# Altium PCB RockerBox_1_SiC780A_Rev02.PcbDoc (part 3 of 4)
Units mm, origin at the board's own origin, x right, y up, seen from the top; angles counter-clockwise.
Board outline 100 x 100 mm, 4 copper layers (L1, L2, L3, L4), stack 1.577 mm thick; 392 components, 96 nets, 1494 pads, 1617 vias.
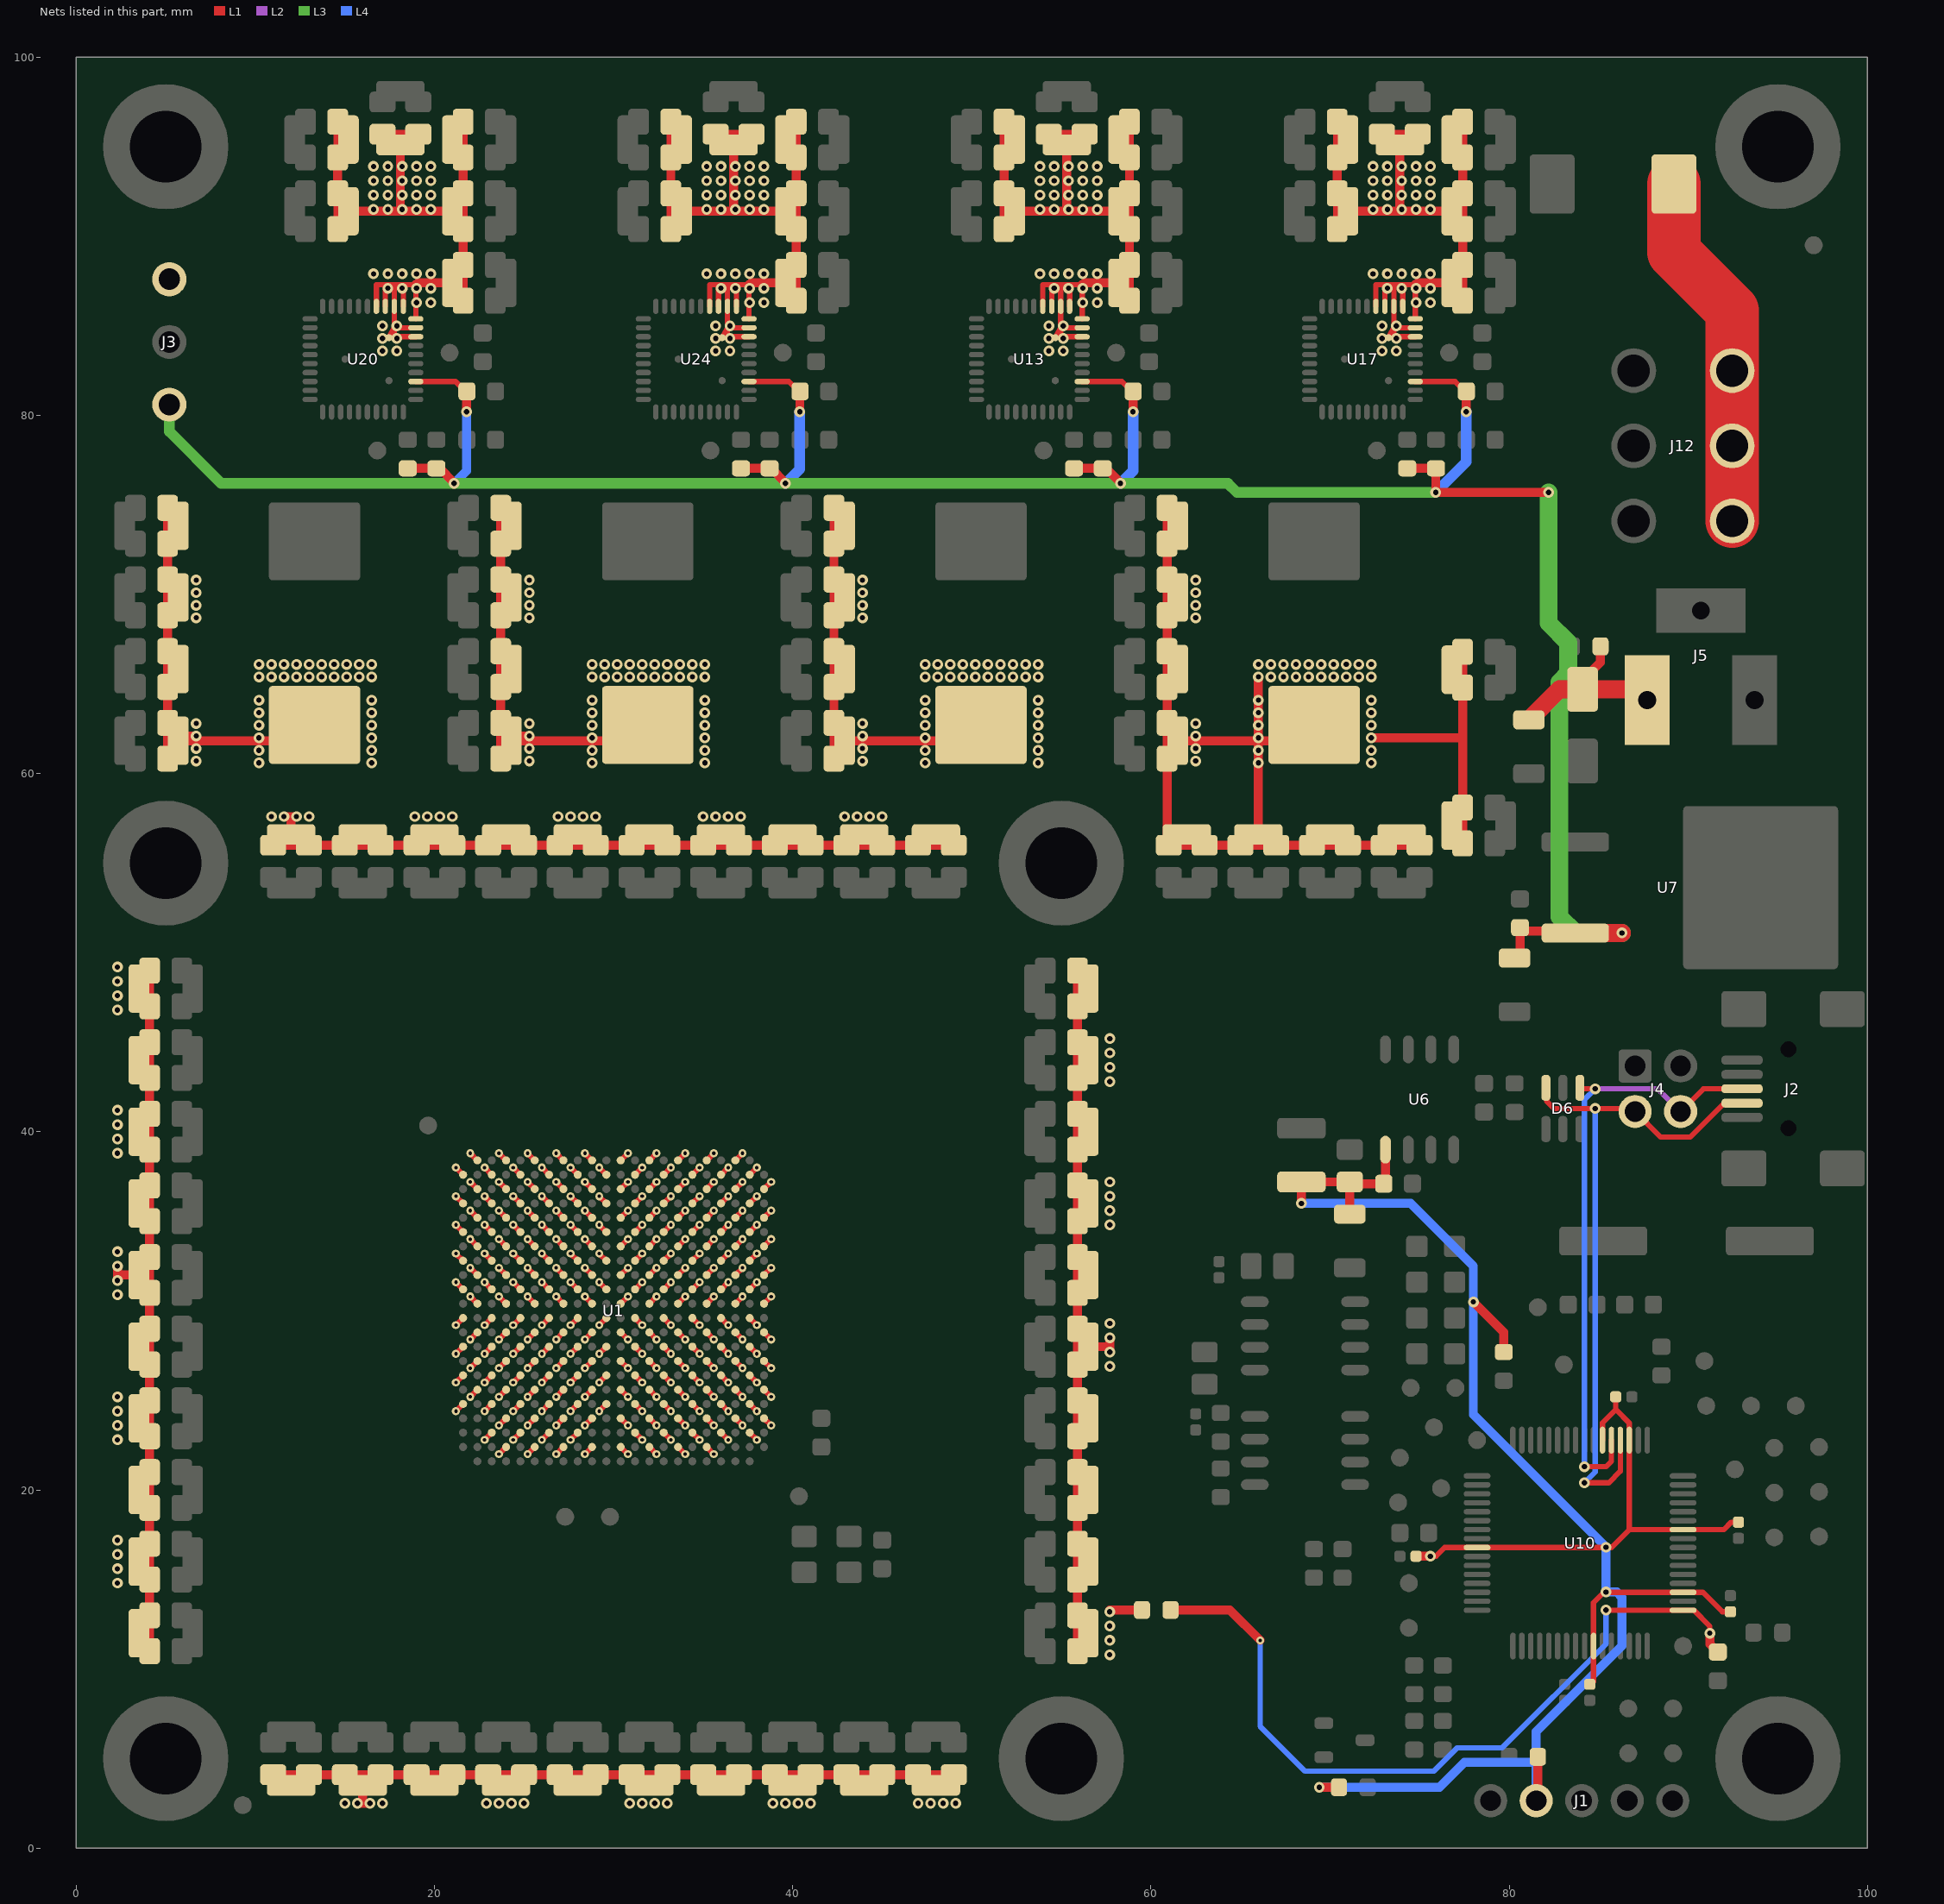
[diagram p5: the nets of this part, all layers, seen from the top]

## Via types
v1: diameter 0.6/0.6/0.6/0.6 (per signal layer), hole 0.3, L1 to L4, 1154 vias
v2: diameter 0.45/0.45/0.45/0.45 (per signal layer), hole 0.2, L1 to L4, 463 vias

## Nets (pads, with @x,y where several pads share a name; then routed paths per layer and width w, separated by ;. In a path a pad name is that pad's centre, name@x,y a point inside that pad or via, vN(x,y) a via of type N, cw(c..) or ccw(c..) an arc to the next point about the centre after c; other vN are vias at no path point) (continued)
1V: C1.2 C18.2 C19.2 C36.2 C37.1 C38.1 C39.1 C40.1 C62.2 C63.2 C65.1 C66.1 C67.1 C74.2 C75.2 C76.2 C77.2 C78.2 C79.2 C80.2 C81.2 C90.1 C128.1 C130.1 C131.1 C132.2 C138.1 C139.1 C140.2 C141.1 C142.1 C143.2 C144.1 C145.1 C146.2 C147.1 C148.2 C149.2 C150.2 C151.2 C152.2 C153.2 C154.2 C155.2 C156.2 C157.2 C158.2 C159.2 C160.2 C161.2 C162.2 C163.2 C164.2 C165.2 C166.1 C167.2 C168.2 C169.1 C170.1 C172.1 C173.1 C174.2 C175.1 C176.1 C177.2 C178.2 C179.2 C180.2 C181.2 C182.2 C183.2 C184.2 C185.2 C186.2 C187.1 C188.1 C189.2 C190.1 C191.1 C192.2 C193.1 C194.1 C195.2 C196.1 C197.1 C199.1 C200.1 C202.1 C203.1 C205.1 C206.2 C207.2 C208.2 C209.2 C210.2 C211.2 C212.2 C213.2 C214.2 C215.2 C216.2 C217.2 C218.2 C219.2 C220.2 C221.2 C222.2 C223.2 C224.2 C225.2 C226.2 C228.2 C229.2 C230.2 C234.2 C235.2 C236.2 C237.2 C238.2 C239.2 C240.2 C241.2 C242.2 C243.2 C244.2 C245.2 C246.2 C247.2 C248.2 C249.2 C250.2 C251.2 C252.2 C253.2 C254.2 C255.2 C256.2 C260.2 C261.2 C262.2 C263.1 C264.1 C265.1 C266.1 C267.2 C268.1 C269.1 C270.2 C271.1 C272.1 C273.2 C274.1 C275.1 C276.2 C331.1 C332.1 C333.1 C334.1 C375.2 C376.2 C377.2 C381.2 C382.2 C397.2 C398.2 C399.2 C400.2 C401.2 C652.1 C653.2 C654.1 C655.1 C656.2 C657.1 C658.1 C659.2 C660.1 C661.1 C662.2 C663.1 C664.1 C665.2 C666.1 C667.1 C668.2 C669.1 L3.2 L7.2 L10.2 L14.2 R6.2 U1.A3 U1.A5 U1.A7 U1.A9 U1.A11 U1.A13 U1.A15 U1.A17 U1.A19 U1.AA1 U1.AA3 U1.AA5 U1.AA7 U1.AA9 U1.AA11 U1.AA13 U1.AA15 U1.AA17 U1.AB2 U1.AB4 U1.AB6 U1.AB8 U1.AB10 U1.AB12 U1.AB14 U1.AB16 U1.AB18 U1.B2 U1.B4 U1.B6 U1.B8 U1.B10 U1.B12 U1.B14 U1.B16 U1.B18 U1.B20 U1.C1 U1.C3 U1.C5 U1.C7 U1.C9 U1.C11 U1.C13 U1.C15 U1.C17 U1.C19 U1.D2 U1.D4 U1.D6 U1.D8 U1.D10 U1.D12 U1.D14 U1.D16 U1.D18 U1.D20 U1.E1 U1.E3 U1.E5 U1.E7 U1.E9 U1.E11 U1.E13 U1.E15 U1.E17 U1.E19 U1.E21 U1.F2 U1.F4 U1.F6 U1.F8 U1.F10 U1.F12 U1.F14 U1.F16 U1.F18 U1.F20 U1.G1 U1.G3 U1.G5 U1.G7 U1.G9 U1.G11 U1.G13 U1.G15 U1.G17 U1.G19 U1.G21 U1.H2 U1.H4 U1.H6 U1.H8 U1.H10 U1.H12 U1.H14 U1.H16 U1.H18 U1.H20 U1.J1 U1.J3 U1.J5 U1.J7 U1.J9 U1.J11 U1.J13 U1.J15 U1.J17 U1.J19 U1.J21 U1.K2 U1.K4 U1.K6 U1.K8 U1.K10 U1.K12 U1.K14 U1.K16 U1.K18 U1.K20 U1.L1 U1.L3 U1.L5 U1.L7 U1.L9 U1.L11 U1.L13 U1.L15 U1.L17 U1.L19 U1.L21 U1.M2 U1.M4 U1.M6 U1.M8 U1.M10 U1.M12 U1.M14 U1.M16 U1.M18 U1.N1 U1.N3 U1.N5 U1.N7 U1.N9 U1.N11 U1.N13 U1.N15 U1.N17 U1.N19 U1.N21 U1.P2 U1.P4 U1.P6 U1.P8 U1.P10 U1.P12 U1.P14 U1.P16 U1.P18 U1.P20 U1.R1 U1.R3 U1.R5 U1.R7 U1.R9 U1.R11 U1.R13 U1.R15 U1.R17 U1.R19 U1.R21 U1.T2 U1.T4 U1.T6 U1.T8 U1.T10 U1.T12 U1.T14 U1.T16 U1.T18 U1.T20 U1.U1 U1.U3 U1.U5 U1.U7 U1.U9 U1.U11 U1.U13 U1.U15 U1.U17 U1.U19 U1.U21 U1.V2 U1.V4 U1.V6 U1.V8 U1.V10 U1.V12 U1.V14 U1.V16 U1.V18 U1.V20 U1.W1 U1.W3 U1.W5 U1.W7 U1.W9 U1.W11 U1.W13 U1.W15 U1.W17 U1.W19 U1.W21 U1.Y2 U1.Y4 U1.Y6 U1.Y8 U1.Y10 U1.Y12 U1.Y14 U1.Y16 U1.Y18 U1.Y20 | length 461.2
  L1 w0.3: v2(21.2,24.4) U1.AB18@21.6,24.8 ; v2(21.2,26) U1.AB16@21.6,26.4 ; v2(21.2,27.6) U1.AB14@21.6,28 ; v2(21.2,29.2) U1.AB12@21.6,29.6 ; v2(21.2,31.6) U1.AB10@21.6,31.2 ; v2(21.2,33.2) U1.AB8@21.6,32.8 ; v2(21.2,34.8) U1.AB6@21.6,34.4 ; v2(21.2,36.4) U1.AB4@21.6,36 ; v2(21.2,38) U1.AB2@21.6,37.6 ; v2(22,25.2) U1.AA17@22.4,25.6 ; v2(22,26.8) U1.AA15@22.4,27.2 ; v2(22,28.4) U1.AA13@22.4,28.8 ; v2(22,30.8) U1.AA11@22.4,30.4 ; v2(22,32.4) U1.AA9@22.4,32 ; v2(22,34) U1.AA7@22.4,33.6 ; v2(22,35.6) U1.AA5@22.4,35.2 ; v2(22,37.2) U1.AA3@22.4,36.8 ; v2(22,38.8) U1.AA1@22.4,38.4 ; v2(22.8,22.8) U1.Y20@23.2,23.2 ; v2(22.8,24.4) U1.Y18@23.2,24.8 ; v2(22.8,26) U1.Y16@23.2,26.4 ; v2(22.8,27.6) U1.Y14@23.2,28 ; v2(22.8,29.2) U1.Y12@23.2,29.6 ; v2(22.8,31.6) U1.Y10@23.2,31.2 ; v2(22.8,33.2) U1.Y8@23.2,32.8 ; v2(22.8,34.8) U1.Y6@23.2,34.4 ; v2(22.8,36.4) U1.Y4@23.2,36 ; v2(22.8,38) U1.Y2@23.2,37.6 ; v2(23.6,22) U1.W21@24,22.4 ; v2(23.6,23.6) U1.W19@24,24 ; v2(23.6,25.2) U1.W17@24,25.6 ; v2(23.6,26.8) U1.W15@24,27.2 ; v2(23.6,28.4) U1.W13@24,28.8 ; v2(23.6,30.8) U1.W11@24,30.4 ; v2(23.6,32.4) U1.W9@24,32 ; v2(23.6,34) U1.W7@24,33.6 ; v2(23.6,35.6) U1.W5@24,35.2 ; v2(23.6,37.2) U1.W3@24,36.8 ; v2(23.6,38.8) U1.W1@24,38.4 ; v2(24.4,22.8) U1.V20@24.8,23.2 ; v2(24.4,24.4) U1.V18@24.8,24.8 ; v2(24.4,26) U1.V16@24.8,26.4 ; v2(24.4,27.6) U1.V14@24.8,28 ; v2(24.4,29.2) U1.V12@24.8,29.6 ; v2(24.4,31.6) U1.V10@24.8,31.2 ; v2(24.4,33.2) U1.V8@24.8,32.8 ; v2(24.4,34.8) U1.V6@24.8,34.4 ; v2(24.4,36.4) U1.V4@24.8,36 ; v2(24.4,38) U1.V2@24.8,37.6 ; v2(25.2,22) U1.U21@25.6,22.4 ; v2(25.2,23.6) U1.U19@25.6,24 ; v2(25.2,25.2) U1.U17@25.6,25.6 ; v2(25.2,26.8) U1.U15@25.6,27.2 ; v2(25.2,28.4) U1.U13@25.6,28.8 ; v2(25.2,30.8) U1.U11@25.6,30.4 ; v2(25.2,32.4) U1.U9@25.6,32 ; v2(25.2,34) U1.U7@25.6,33.6 ; v2(25.2,35.6) U1.U5@25.6,35.2 ; v2(25.2,37.2) U1.U3@25.6,36.8 ; v2(25.2,38.8) U1.U1@25.6,38.4 ; v2(26,22.8) U1.T20@26.4,23.2 ; v2(26,24.4) U1.T18@26.4,24.8 ; v2(26,26) U1.T16@26.4,26.4 ; v2(26,27.6) U1.T14@26.4,28 ; v2(26,29.2) U1.T12@26.4,29.6 ; v2(26,31.6) U1.T10@26.4,31.2 ; v2(26,33.2) U1.T8@26.4,32.8 ; v2(26,34.8) U1.T6@26.4,34.4 ; v2(26,36.4) U1.T4@26.4,36 ; v2(26,38) U1.T2@26.4,37.6 ; v2(26.8,22) U1.R21@27.2,22.4 ; v2(26.8,23.6) U1.R19@27.2,24 ; v2(26.8,25.2) U1.R17@27.2,25.6 ; v2(26.8,26.8) U1.R15@27.2,27.2 ; v2(26.8,28.4) U1.R13@27.2,28.8 ; v2(26.8,30.8) U1.R11@27.2,30.4 ; v2(26.8,32.4) U1.R9@27.2,32 ; v2(26.8,34) U1.R7@27.2,33.6 ; v2(26.8,35.6) U1.R5@27.2,35.2 ; v2(26.8,37.2) U1.R3@27.2,36.8 ; v2(26.8,38.8) U1.R1@27.2,38.4 ; v2(27.6,22.8) U1.P20@28,23.2 ; v2(27.6,24.4) U1.P18@28,24.8 ; v2(27.6,26) U1.P16@28,26.4 ; v2(27.6,27.6) U1.P14@28,28 ; v2(27.6,29.2) U1.P12@28,29.6 ; v2(27.6,31.6) U1.P10@28,31.2 ; v2(27.6,33.2) U1.P8@28,32.8 ; v2(27.6,34.8) U1.P6@28,34.4 ; v2(27.6,36.4) U1.P4@28,36 ; v2(27.6,38) U1.P2@28,37.6 ; v2(28.4,22) U1.N21@28.8,22.4 ; v2(28.4,23.6) U1.N19@28.8,24 ; v2(28.4,25.2) U1.N17@28.8,25.6 ; v2(28.4,26.8) U1.N15@28.8,27.2 ; v2(28.4,28.4) U1.N13@28.8,28.8 ; v2(28.4,30.8) U1.N11@28.8,30.4 ; v2(28.4,32.4) U1.N9@28.8,32 ; v2(28.4,34) U1.N7@28.8,33.6 ; v2(28.4,35.6) U1.N5@28.8,35.2 ; v2(28.4,37.2) U1.N3@28.8,36.8 ; v2(28.4,38.8) U1.N1@28.8,38.4 ; v2(29.2,24.4) U1.M18@29.6,24.8 ; v2(29.2,26) U1.M16@29.6,26.4 ; v2(29.2,27.6) U1.M14@29.6,28 ; v2(29.2,29.2) U1.M12@29.6,29.6 ; v2(29.2,31.6) U1.M10@29.6,31.2 ; v2(29.2,33.2) U1.M8@29.6,32.8 ; v2(29.2,34.8) U1.M6@29.6,34.4 ; v2(29.2,36.4) U1.M4@29.6,36 ; v2(29.2,38) U1.M2@29.6,37.6 ; U1.L21@30.4,22.4 v2(30.8,22) ; U1.L19@30.4,24 v2(30.8,23.6) ; U1.L17@30.4,25.6 v2(30.8,25.2) ; U1.L15@30.4,27.2 v2(30.8,26.8) ; U1.L13@30.4,28.8 v2(30.8,28.4) ; U1.L11@30.4,30.4 v2(30.8,30.8) ; U1.L9@30.4,32 v2(30.8,32.4) ; U1.L7@30.4,33.6 v2(30.8,34) ; U1.L5@30.4,35.2 v2(30.8,35.6) ; U1.L3@30.4,36.8 v2(30.8,37.2) ; U1.L1@30.4,38.4 v2(30.8,38.8) ; U1.K20@31.2,23.2 v2(31.6,22.8) ; U1.K18@31.2,24.8 v2(31.6,24.4) ; U1.K16@31.2,26.4 v2(31.6,26) ; U1.K14@31.2,28 v2(31.6,27.6) ; U1.K12@31.2,29.6 v2(31.6,29.2) ; U1.K10@31.2,31.2 v2(31.6,31.6) ; U1.K8@31.2,32.8 v2(31.6,33.2) ; U1.K6@31.2,34.4 v2(31.6,34.8) ; U1.K4@31.2,36 v2(31.6,36.4) ; U1.K2@31.2,37.6 v2(31.6,38) ; U1.J21@32,22.4 v2(32.4,22) ; U1.J19@32,24 v2(32.4,23.6) ; U1.J17@32,25.6 v2(32.4,25.2) ; U1.J15@32,27.2 v2(32.4,26.8) ; U1.J13@32,28.8 v2(32.4,28.4) ; U1.J11@32,30.4 v2(32.4,30.8) ; U1.J9@32,32 v2(32.4,32.4) ; U1.J7@32,33.6 v2(32.4,34) ; U1.J5@32,35.2 v2(32.4,35.6) ; U1.J3@32,36.8 v2(32.4,37.2) ; U1.J1@32,38.4 v2(32.4,38.8) ; U1.H20@32.8,23.2 v2(33.2,22.8) ; U1.H18@32.8,24.8 v2(33.2,24.4) ; U1.H16@32.8,26.4 v2(33.2,26) ; U1.H14@32.8,28 v2(33.2,27.6) ; U1.H12@32.8,29.6 v2(33.2,29.2) ; U1.H10@32.8,31.2 v2(33.2,31.6) ; U1.H8@32.8,32.8 v2(33.2,33.2) ; U1.H6@32.8,34.4 v2(33.2,34.8) ; U1.H4@32.8,36 v2(33.2,36.4) ; U1.H2@32.8,37.6 v2(33.2,38) ; U1.G21@33.6,22.4 v2(34,22) ; U1.G19@33.6,24 v2(34,23.6) ; U1.G17@33.6,25.6 v2(34,25.2) ; U1.G15@33.6,27.2 v2(34,26.8) ; U1.G13@33.6,28.8 v2(34,28.4) ; U1.G11@33.6,30.4 v2(34,30.8) ; U1.G9@33.6,32 v2(34,32.4) ; U1.G7@33.6,33.6 v2(34,34) ; U1.G5@33.6,35.2 v2(34,35.6) ; U1.G3@33.6,36.8 v2(34,37.2) ; U1.G1@33.6,38.4 v2(34,38.8) ; U1.F20@34.4,23.2 v2(34.8,22.8) ; U1.F18@34.4,24.8 v2(34.8,24.4) ; U1.F16@34.4,26.4 v2(34.8,26) ; U1.F14@34.4,28 v2(34.8,27.6) ; U1.F12@34.4,29.6 v2(34.8,29.2) ; U1.F10@34.4,31.2 v2(34.8,31.6) ; U1.F8@34.4,32.8 v2(34.8,33.2) ; U1.F6@34.4,34.4 v2(34.8,34.8) ; U1.F4@34.4,36 v2(34.8,36.4) ; U1.F2@34.4,37.6 v2(34.8,38) ; U1.E21@35.2,22.4 v2(35.6,22) ; U1.E19@35.2,24 v2(35.6,23.6) ; U1.E17@35.2,25.6 v2(35.6,25.2) ; U1.E15@35.2,27.2 v2(35.6,26.8) ; U1.E13@35.2,28.8 v2(35.6,28.4) ; U1.E11@35.2,30.4 v2(35.6,30.8) ; U1.E9@35.2,32 v2(35.6,32.4) ; U1.E7@35.2,33.6 v2(35.6,34) ; U1.E5@35.2,35.2 v2(35.6,35.6) ; U1.E3@35.2,36.8 v2(35.6,37.2) ; U1.E1@35.2,38.4 v2(35.6,38.8) ; U1.D20@36,23.2 v2(36.4,22.8) ; U1.D18@36,24.8 v2(36.4,24.4) ; U1.D16@36,26.4 v2(36.4,26) ; U1.D14@36,28 v2(36.4,27.6) ; U1.D12@36,29.6 v2(36.4,29.2) ; U1.D10@36,31.2 v2(36.4,31.6) ; U1.D8@36,32.8 v2(36.4,33.2) ; U1.D6@36,34.4 v2(36.4,34.8) ; U1.D4@36,36 v2(36.4,36.4) ; U1.D2@36,37.6 v2(36.4,38) ; U1.C19@36.8,24 v2(37.2,23.6) ; U1.C17@36.8,25.6 v2(37.2,25.2) ; U1.C15@36.8,27.2 v2(37.2,26.8) ; U1.C13@36.8,28.8 v2(37.2,28.4) ; U1.C11@36.8,30.4 v2(37.2,30.8) ; U1.C9@36.8,32 v2(37.2,32.4) ; U1.C7@36.8,33.6 v2(37.2,34) ; U1.C5@36.8,35.2 v2(37.2,35.6) ; U1.C3@36.8,36.8 v2(37.2,37.2) ; U1.C1@36.8,38.4 v2(37.2,38.8) ; U1.B20@37.6,23.2 v2(38,22.8) ; U1.B18@37.6,24.8 v2(38,24.4) ; U1.B16@37.6,26.4 v2(38,26) ; U1.B14@37.6,28 v2(38,27.6) ; U1.B12@37.6,29.6 v2(38,29.2) ; U1.B10@37.6,31.2 v2(38,31.6) ; U1.B8@37.6,32.8 v2(38,33.2) ; U1.B6@37.6,34.4 v2(38,34.8) ; U1.B4@37.6,36 v2(38,36.4) ; U1.B2@37.6,37.6 v2(38,38) ; U1.A19@38.4,24 v2(38.8,23.6) ; U1.A17@38.4,25.6 v2(38.8,25.2) ; U1.A15@38.4,27.2 v2(38.8,26.8) ; U1.A13@38.4,28.8 v2(38.8,28.4) ; U1.A11@38.4,30.4 v2(38.8,30.8) ; U1.A9@38.4,32 v2(38.8,32.4) ; U1.A7@38.4,33.6 v2(38.8,34) ; U1.A5@38.4,35.2 v2(38.8,35.6) ; U1.A3@38.4,36.8 v2(38.8,37.2)
  L1 w0.5: v1(2.305,31.7) v1@2.305,32 ; v1(2.305,32.5) v1@2.305,32 ; C254.2@3.5,12 4.1,12 ; C213.2@3.5,16 4.1,16 ; C214.2@3.5,20 4.1,20 ; C215.2@3.5,24 4.1,24 ; C210.2@3.5,28 4.1,28 ; C212.2@3.5,36 4.1,36 ; C207.2@3.5,40 4.1,40 ; C208.2@3.5,44 4.1,44 ; C209.2@3.5,48 4.1,48 ; C229.2@4.1,11 4.1,12 ; C63.2@4.1,49 4.1,48 ; C657.1@5.103,60.835 5.103,61.835 ; C669.1@5.103,74.835 5.103,73.835 ; C662.2@5.703,65.835 5.103,65.835 ; C665.2@5.703,69.835 5.103,69.835 ; C668.2@5.703,73.835 5.103,73.835 ; v1(6.7,62.1) 5.968,62.1 C656.2@5.703,61.835 ; C157.2@11,4.1 12,4.1 ; C654.1@11,56 12,56 ; v1(11.6,57.6) v1@12,57.6 ; C238.2@12,3.5 12,4.1 ; v1(12.3,57.6) v1@12,57.6 ; L10.2@13.311,62.715 13.311,61.835 C656.2@5.703,61.835 ; v1(15.7,2.5) v1@16,2.5 ; C398.2@16,56.6 16,56 ; v1(16.4,2.5) v1@16,2.5 ; C216.2@20,3.5 20,4.1 ; C659.2@20,56.6 20,56 ; C176.1@23.703,60.835 23.703,61.835 ; C268.1@23.703,74.835 23.703,73.835 ; C241.2@24,3.5 24,4.1 ; C397.2@24,56.6 24,56 ; C399.2@24.303,65.835 23.703,65.835 ; C400.2@24.303,69.835 23.703,69.835 ; C401.2@24.303,73.835 23.703,73.835 ; v1(25.3,62.1) 24.568,62.1 C195.2@24.303,61.835 ; C240.2@28,3.5 28,4.1 ; C192.2@28,56.6 28,56 ; L14.2@31.911,62.715 31.911,61.835 C195.2@24.303,61.835 ; C239.2@32,3.5 32,4.1 ; C189.2@32,56.6 32,56 ; C244.2@36,3.5 36,4.1 ; C267.2@36,56.6 36,56 ; C243.2@40,3.5 40,4.1 ; C174.2@40,56.6 40,56 ; C138.1@42.303,60.835 42.303,61.835 ; C169.1@42.303,74.835 42.303,73.835 ; C375.2@42.903,65.835 42.303,65.835 ; C376.2@42.903,69.835 42.303,69.835 ; C377.2@42.903,73.835 42.303,73.835 ; v1(43.9,62.1) v1@43.9,61.835 ; C242.2@44,3.5 44,4.1 ; C143.2@44,56.6 44,56 ; C255.2@48,3.5 48,4.1 ; C140.2@48,56.6 48,56 ; C230.2@49,4.1 48,4.1 ; C39.1@49,56 48,56 ; L3.2@50.511,62.715 50.511,61.835 v1@43.9,61.835 ; C235.2@55.9,11 55.9,12 ; C221.2@55.9,49 55.9,48 ; C256.2@56.5,12 55.9,12 ; C247.2@56.5,16 55.9,16 ; C246.2@56.5,20 55.9,20 ; C245.2@56.5,24 55.9,24 ; C249.2@56.5,32 55.9,32 ; C248.2@56.5,36 55.9,36 ; C253.2@56.5,40 55.9,40 ; C252.2@56.5,44 55.9,44 ; C251.2@56.5,48 55.9,48 ; v1(57.7,13.2) 57.7,13.3 R6.2@59.5,13.3 ; v1(57.705,27.7) v1@57.705,28 ; v1(57.705,28.5) v1@57.705,28 ; C275.1@60.903,74.835 60.903,73.835 ; C276.2@61.503,65.835 60.903,65.835 ; C381.2@61.503,69.835 60.903,69.835 ; C382.2@61.503,73.835 60.903,73.835 ; C167.2@62,56.598 62,55.998 ; C132.2@66,56.598 66,56.5 66,55.998 ; C132.2@66,56.5 v1(66,60.6) v1(66,61.3) v1@66,61.835 ; v1(66,65.4) v1(66,64.1) v1(66,63.4) v1(66,62.7) v1(66,62) v1@66,61.835 ; L7.2@69.111,62.715 69.111,61.835 v1@66,61.835 ; C262.2@70,56.6 70,56 ; v1(72.3,62) 77.4,62 ; C261.2@74,56.6 74,56 ; C197.1@75,56 74,56 ; C273.2@76.8,57.1 77.4,57.1 ; C260.2@76.8,65.8 77.4,65.8 ; C265.1@77.4,56.1 77.4,57.1 ; C90.1@77.4,66.8 77.4,65.8 ; v1@2.305,32 C211.2@3.5,32 4.1,32 ; 4.1,12 C228.2@4.1,13 C80.2@4.1,15 4.1,16 ; 4.1,16 C81.2@4.1,17 C148.2@4.1,19 4.1,20 ; 4.1,20 C149.2@4.1,21 C150.2@4.1,23 4.1,24 ; 4.1,24 C151.2@4.1,25 C74.2@4.1,27 4.1,28 ; 4.1,28 C75.2@4.1,29 C76.2@4.1,31 4.1,32 ; 4.1,32 C77.2@4.1,33 C78.2@4.1,35 4.1,36 ; 4.1,36 C79.2@4.1,37 C1.2@4.1,39 4.1,40 ; 4.1,40 C18.2@4.1,41 C19.2@4.1,43 4.1,44 ; 4.1,44 C36.2@4.1,45 C62.2@4.1,47 4.1,48 ; 5.103,61.835 C656.2@5.703,61.835 ; 5.103,61.835 C655.1@5.103,62.835 C661.1@5.103,64.835 5.103,65.835 ; 5.103,65.835 C663.1@5.103,66.835 C664.1@5.103,68.835 5.103,69.835 ; 5.103,69.835 C666.1@5.103,70.835 C667.1@5.103,72.835 5.103,73.835 ; 12,4.1 C156.2@13,4.1 C155.2@15,4.1 16,4.1 ; 12,56 C653.2@12,56.6 v1@12,57.6 ; 12,56 C652.1@13,56 C334.1@15,56 16,56 ; v1@16,2.5 C237.2@16,3.5 16,4.1 ; 16,4.1 C154.2@17,4.1 C153.2@19,4.1 20,4.1 ; 16,56 C333.1@17,56 C660.1@19,56 20,56 ; 20,4.1 C152.2@21,4.1 C163.2@23,4.1 24,4.1 ; 20,56 C658.1@21,56 C332.1@23,56 24,56 ; 23.703,61.835 C195.2@24.303,61.835 ; 23.703,61.835 C191.1@23.703,64.835 23.703,65.835 ; 23.703,65.835 C194.1@23.703,68.835 23.703,69.835 ; 23.703,69.835 23.703,73.835 ; 24,4.1 C162.2@25,4.1 C161.2@27,4.1 28,4.1 ; 24,56 C331.1@25,56 C173.1@27,56 28,56 ; 28,4.1 C160.2@29,4.1 C159.2@31,4.1 32,4.1 ; 28,56 C172.1@29,56 C170.1@31,56 32,56 ; 32,4.1 C158.2@33,4.1 C179.2@35,4.1 36,4.1 ; 32,56 C67.1@33,56 C190.1@35,56 36,56 ; 36,4.1 C178.2@37,4.1 C177.2@39,4.1 40,4.1 ; 36,56 C188.1@37,56 C66.1@39,56 40,56 ; 40,4.1 C168.2@41,4.1 C165.2@43,4.1 44,4.1 ; 40,56 C65.1@41,56 C130.1@43,56 44,56 ; 42.303,61.835 C146.2@42.903,61.835 v1@43.9,61.835 ; 42.303,61.835 C131.1@42.303,62.835 C142.1@42.303,64.835 42.303,65.835 ; 42.303,65.835 C144.1@42.303,66.835 C145.1@42.303,68.835 42.303,69.835 ; 42.303,69.835 C147.1@42.303,70.835 C166.1@42.303,72.835 42.303,73.835 ; 44,4.1 C164.2@45,4.1 C234.2@47,4.1 48,4.1 ; 44,56 C128.1@45,56 C40.1@47,56 48,56 ; 55.9,12 C236.2@55.9,13 C185.2@55.9,15 55.9,16 ; 55.9,16 C184.2@55.9,17 C183.2@55.9,19 55.9,20 ; 55.9,20 C182.2@55.9,21 C181.2@55.9,23 55.9,24 ; 55.9,24 C180.2@55.9,25 C220.2@55.9,27 55.9,28 ; 55.9,28 C250.2@56.5,28 v1@57.705,28 ; 55.9,28 C219.2@55.9,29 C218.2@55.9,31 55.9,32 ; 55.9,32 C217.2@55.9,33 C206.2@55.9,35 55.9,36 ; 55.9,36 C186.2@55.9,37 C226.2@55.9,39 55.9,40 ; 55.9,40 C225.2@55.9,41 C224.2@55.9,43 55.9,44 ; 55.9,44 C223.2@55.9,45 C222.2@55.9,47 55.9,48 ; 60.903,61.835 C270.2@61.503,61.835 v1@66,61.835 ; 60.903,61.835 C205.1@60.903,60.835 60.903,56.094 C141.1@61,55.998 62,55.998 ; 60.903,61.835 C203.1@60.903,62.835 C266.1@60.903,64.835 60.903,65.835 ; 60.903,65.835 C269.1@60.903,66.835 C271.1@60.903,68.835 60.903,69.835 ; 60.903,69.835 C272.1@60.903,70.835 C274.1@60.903,72.835 60.903,73.835 ; 62,55.998 66,55.998 ; 66,55.998 68.998,55.998 C202.1@69,56 70,56 ; 70,56 C200.1@71,56 C199.1@73,56 74,56 ; 77.4,57.1 77.4,62 ; 77.4,62 77.4,65.8
  other v1: 15,2.5 17.1,2.5 22.9,2.5 23.6,2.5 24.3,2.5 25,2.5 30.9,2.5 31.6,2.5 32.3,2.5 33,2.5 38.9,2.5 39.6,2.5 40.3,2.5 41,2.5 47,2.5 47.7,2.5 48.4,2.5 49.1,2.5 57.7,10.8 57.7,11.6 57.7,12.4 2.3,14.8 2.3,15.6 2.3,16.4 2.3,17.2 2.305,22.8 2.305,23.6 2.305,24.4 2.305,25.2 57.705,26.9 57.705,29.3 2.305,30.9 2.305,33.3 57.705,34.8 57.705,35.6 57.705,36.4 57.705,37.2 2.305,38.8 2.305,39.6 2.305,40.4 2.305,41.2 57.705,42.8 57.705,43.6 57.705,44.4 57.705,45.2 2.305,46.8 2.305,47.6 2.305,48.4 2.305,49.2 10.9,57.6 13,57.6 18.9,57.6 19.6,57.6 20.3,57.6 21,57.6 26.9,57.6 27.6,57.6 28.3,57.6 29,57.6 35,57.6 35.7,57.6 36.4,57.6 37.1,57.6 42.9,57.6 43.6,57.6 44.3,57.6 45,57.6 10.2,60.6 16.5,60.6 28.8,60.6 35.1,60.6 47.4,60.6 53.7,60.6 72.3,60.6 6.7,60.7 25.3,60.7 43.9,60.7 62.5,60.7 10.2,61.3 16.5,61.3 28.8,61.3 35.1,61.3 47.4,61.3 53.7,61.3 72.3,61.3 6.7,61.4 25.3,61.4 43.9,61.4 62.5,61.4 10.2,62 16.5,62 28.8,62 35.1,62 47.4,62 53.7,62 62.5,62.1 10.2,62.7 16.5,62.7 28.8,62.7 35.1,62.7 47.4,62.7 53.7,62.7 72.3,62.7 6.7,62.8 25.3,62.8 43.9,62.8 62.5,62.8 10.2,63.4 16.5,63.4 28.8,63.4 35.1,63.4 47.4,63.4 53.7,63.4 72.3,63.4 10.2,64.1 16.5,64.1 28.8,64.1 35.1,64.1 47.4,64.1 53.7,64.1 72.3,64.1 10.2,65.4 10.9,65.4 11.6,65.4 12.3,65.4 13,65.4 13.7,65.4 14.4,65.4 15.1,65.4 15.8,65.4 16.5,65.4 28.8,65.4 29.5,65.4 30.2,65.4 30.9,65.4 31.6,65.4 32.3,65.4 33,65.4 33.7,65.4 34.4,65.4 35.1,65.4 47.4,65.4 48.1,65.4 48.8,65.4 49.5,65.4 50.2,65.4 50.9,65.4 51.6,65.4 52.3,65.4 53,65.4 53.7,65.4 66.7,65.4 67.4,65.4 68.1,65.4 68.8,65.4 69.5,65.4 70.2,65.4 70.9,65.4 71.6,65.4 72.3,65.4 10.2,66.1 10.9,66.1 11.6,66.1 12.3,66.1 13,66.1 13.7,66.1 14.4,66.1 15.1,66.1 15.8,66.1 16.5,66.1 28.8,66.1 29.5,66.1 30.2,66.1 30.9,66.1 31.6,66.1 32.3,66.1 33,66.1 33.7,66.1 34.4,66.1 35.1,66.1 47.4,66.1 48.1,66.1 48.8,66.1 49.5,66.1 50.2,66.1 50.9,66.1 51.6,66.1 52.3,66.1 53,66.1 53.7,66.1 66,66.1 66.7,66.1 67.4,66.1 68.1,66.1 68.8,66.1 69.5,66.1 70.2,66.1 70.9,66.1 71.6,66.1 72.3,66.1 6.7,68.7 25.3,68.7 43.9,68.7 62.5,68.7 6.7,69.4 25.3,69.4 43.9,69.4 62.5,69.4 6.7,70.1 25.3,70.1 43.9,70.1 62.5,70.1 6.7,70.8 25.3,70.8 43.9,70.8 62.5,70.8
3.3V: C4.1 C6.1 C7.1 C8.1 C9.1 C13.2 C14.1 C347.1 J1.2 R1.2 R9.2 R14.2 R18.1 U6.1 U10.10 U10.19 U10.26 U10.35 U10.38 U10.57 | length 117.6
  L1 w0.3: v1(75.6,16.3) 75.917,16.3 76.4,16.783 U10.57@78.207,16.783 v1@85.383,16.783 ; C9.1@84.5,9.15 84.65,9.3 84.707,9.3 84.707,13.707 85.283,14.283 85.383,14.283 v1(85.4,14.3) 85.4,14.283 U10.19@89.708,14.283 90.817,14.283 91.9,13.2 C6.1@92.35,13.2 ; U10.38@85.208,22.783 85.208,23.751 85.95,24.494 ; v1(85.4,16.8) v1@85.383,16.783 ; C4.1@85.95,25.2 85.95,24.494 ; C8.1@92.8,18.2 92.4,18.2 91.983,17.783 U10.26@89.708,17.783 86.707,17.783 ; v1@85.383,16.783 85.707,16.783 86.707,17.783 ; 85.95,24.494 86.707,23.736 U10.35@86.707,22.783 86.707,17.783
  L1 w0.5: v1(68.4,36) C13.2@68.4,37.2 C14.1@71.1,37.2 C14.1@71.1,37.1 ; v1(69.4,3.4) R18.1@70.5,3.4 ; R14.2@71.1,35.4 C14.1@71.1,37.1 ; U6.1@73.095,39 73.095,37.195 C347.1@73,37.1 C14.1@71.1,37.1 ; C7.1@74.8,16.3 v1(75.6,16.3) ; v1(78,30.5) 79.7,28.8 R9.2@79.7,27.7 ; J1.2@81.51,2.65 81.6,2.74 R1.2@81.6,5.1
  L4 w0.5: v1(68.4,36) 74.5,36 78,32.5 v1(78,30.5) 78,24.2 v1(85.4,16.8) v1(85.4,14.3) 86,14.3 86.3,14 86.3,11.29 81.51,6.5 81.51,4.8 ; v1(69.4,3.4) 76.1,3.4 77.5,4.8 81.51,4.8 ; J1.2@81.51,2.65 81.51,4.8
5.0V: C12.1 C22.2 C54.2 C85.2 C117.2 J3.1 R2.2 R3.1 R12.1 R15.2 R16.1 R17.2 R19.1 R23.2 R24.1 U7.3 U13.3 U17.3 U20.3 U24.3 | length 162.8
  L1 w0.3: U20.3@18.961,81.89 21.182,81.89 C85.2@21.772,81.3 ; U24.3@37.561,81.89 39.782,81.89 C117.2@40.372,81.3 ; U13.3@56.161,81.89 58.382,81.89 C22.2@58.972,81.3 ; U17.3@74.761,81.89 76.982,81.89 C54.2@77.572,81.3
  L1 w0.5: R2.2@18.511,77.04 20.3,77.04 21.1,76.24 v1(21.1,76.2) ; v1(21.8,80.2) 21.8,81.272 21.772,81.3 C85.2@21.811,81.34 ; R17.2@37.111,77.04 38.8,77.04 39.6,76.24 v1(39.6,76.2) ; v1(40.4,80.2) 40.4,81.272 40.372,81.3 C117.2@40.411,81.34 ; R15.2@55.711,77.04 57.5,77.04 58.3,76.24 v1(58.3,76.2) ; v1(59,80.2) 59,81.272 58.972,81.3 C22.2@59.011,81.34 ; R23.2@74.311,77.04 R24.1@75.911,77.04 75.9,77.028 v1(75.9,75.7) v1(82.2,75.7) ; v1(77.6,80.2) 77.6,81.272 77.572,81.3 C54.2@77.611,81.34 ; R12.1@80.3,49.7 80.605,49.7 C12.1@80.605,51.4 80.629,51.376 80.629,51.236 80.658,51.207 83.593,51.207 83.7,51.1 83.696,51.1 U7.3@83.689,51.093
  L1 w1: U7.3@83.7,51.1 v1(86.3,51.1)
  L3 w0.6: J3.1@5.2,80.6 5.2,79.1 8.1,76.2 v1(21.1,76.2) v1(39.6,76.2) v1(58.3,76.2) 64.3,76.2 64.8,75.7 v1(75.9,75.7)
  L3 w1: v1(82.2,75.7) 82.2,68.4 83.3,67.3 83.3,65.6 82.8,65.1 82.8,52 83.7,51.1 v1(86.3,51.1)
  L4 w0.5: v1(21.1,76.2) 21.8,76.9 v1(21.8,80.2)
  L4 w0.6: v1(39.6,76.2) 40.4,77 v1(40.4,80.2) ; v1(58.3,76.2) 59,76.9 v1(59,80.2) ; v1(75.9,75.7) 77.6,77.4 v1(77.6,80.2)
12V: C20.1 C21.1 C23.1 C24.1 C25.1 C41.2 C42.2 C43.2 C47.2 C49.1 C50.1 C51.1 C52.1 C68.1 C69.1 C70.1 C71.1 C91.1 C92.2 C94.1 C95.1 C96.2 C97.1 C98.1 C99.2 C100.1 C101.2 C102.2 C106.1 C107.2 C108.1 C109.1 C110.1 C111.1 C112.1 C113.1 C114.1 C115.1 C116.1 C118.1 C119.1 C120.1 C122.1 C123.1 C124.1 C126.1 C127.1 C133.2 C134.2 C258.2 C259.2 C373.2 C374.2 C378.1 C379.1 C380.1 C404.2 C405.2 C406.2 C407.2 C596.2 C598.1 C599.2 C600.1 C602.2 C603.1 C605.2 C606.1 C640.1 C642.1 C711.1 C814.1 D8.2 D28.1 J3.3 J5.1 J12.1 J12.2 J12.3 R4.1 R13.2 U13.8 U13.9 U13.10 U13.11 U13.12 U13.13 U13.14 U13.42 U17.8 U17.9 U17.10 U17.11 U17.12 U17.13 U17.14 U17.42 U20.8 U20.9 U20.10 U20.11 U20.12 U20.13 U20.14 U20.42 U24.8 U24.9 U24.10 U24.11 U24.12 U24.13 U24.14 U24.42 | length 218.2
  L1 w0.3: U20.14@16.761,86.09 16.761,87.3 v1@17.261,87.3 ; U20.13@17.261,86.09 v1@17.261,87.3 ; U20.42@17.461,84.34 17.545,84.493 v1@17.761,84.89 ; U20.11@18.261,86.09 v1@18.261,87.3 ; U20.8@18.961,84.39 17.761,84.39 v1@17.761,84.89 ; U20.9@18.961,84.89 v1@17.761,84.89 ; U20.10@18.961,85.39 18.961,87.3 v1@18.261,87.3 ; U24.14@35.361,86.09 35.361,87.3 v1@35.861,87.3 ; U24.13@35.861,86.09 v1@35.861,87.3 ; U24.42@36.061,84.34 36.145,84.493 v1@36.361,84.89 ; U24.11@36.861,86.09 v1@36.861,87.3 ; v1@37.56,87.3 v1@36.861,87.3 ; U24.8@37.561,84.39 36.361,84.39 v1@36.361,84.89 ; U24.9@37.561,84.89 v1@36.361,84.89 ; U24.10@37.561,85.39 v1@37.561,87.3 ; U13.14@53.961,86.09 53.961,87.3 v1@54.461,87.3 ; U13.13@54.461,86.09 v1@54.461,87.3 ; U13.42@54.661,84.34 54.745,84.493 v1@54.961,84.89 ; U13.11@55.461,86.09 v1@55.461,87.3 ; v1@56.16,87.3 v1@55.461,87.3 ; U13.8@56.161,84.39 54.961,84.39 v1@54.961,84.89 ; U13.9@56.161,84.89 v1@54.961,84.89 ; U13.10@56.161,85.39 v1@56.161,87.3 ; U17.14@72.561,86.09 72.561,87.3 v1@73.061,87.3 ; U17.13@73.061,86.09 v1@73.061,87.3 ; U17.42@73.261,84.34 73.345,84.493 v1@73.561,84.89 ; U17.11@74.061,86.09 v1@74.061,87.3 ; U17.8@74.761,84.39 73.561,84.39 v1@73.561,84.89 ; U17.9@74.761,84.89 v1@73.561,84.89 ; U17.10@74.761,85.39 74.761,87.3 v1@74.061,87.3 ; v1@17.261,87.3 17.761,87.3 ; v1@17.761,84.89 U20.12@17.761,86.09 17.761,87.3 ; 17.761,87.3 v1@18.261,87.3 ; v1@35.861,87.3 36.361,87.3 ; v1@36.361,84.89 U24.12@36.361,86.09 36.361,87.3 ; 36.361,87.3 v1@36.861,87.3 ; v1@54.461,87.3 54.961,87.3 ; v1@54.961,84.89 U13.12@54.961,86.09 54.961,87.3 ; 54.961,87.3 v1@55.461,87.3 ; v1@73.061,87.3 73.561,87.3 ; v1@73.561,84.89 73.561,87.3 ; 73.561,87.3 v1@74.061,87.3
  L1 w0.5: C711.1@14.6,90.4 14.611,91.406 14.611,91.44 ; C606.1@14.6,96.4 14.611,95.44 ; C605.2@15.2,95.4 14.611,95.44 ; C378.1@17.1,95.7 18.1,95.7 ; v1@18.96,87.3 19.1,87.4 C102.2@21,87.4 21.6,87.4 ; C20.1@19.1,95.7 18.1,95.7 ; C405.2@21,95.4 21.6,95.4 ; C25.1@21.6,86.4 21.6,87.4 ; C379.1@21.6,96.4 21.6,95.4 ; C115.1@33.2,90.4 33.211,91.406 33.211,91.44 ; C114.1@33.2,96.4 33.211,95.44 ; C407.2@33.8,95.4 33.211,95.44 ; C110.1@35.7,95.7 36.7,95.7 ; v1@37.56,87.3 37.7,87.4 C96.2@39.6,87.4 40.2,87.4 ; C91.1@37.7,95.7 36.7,95.7 ; C134.2@39.6,95.4 40.2,95.4 ; C109.1@40.2,86.4 40.2,87.4 ; C111.1@40.2,96.4 40.2,95.4 ; C640.1@51.8,90.4 51.811,91.406 51.811,91.44 ; C600.1@51.8,96.4 51.811,95.44 ; C599.2@52.4,95.4 51.811,95.44 ; C69.1@54.3,95.7 55.3,95.7 ; v1@56.16,87.3 56.3,87.4 C43.2@58.2,87.4 58.8,87.4 ; C49.1@56.3,95.7 55.3,95.7 ; C374.2@58.2,95.4 58.8,95.4 ; C68.1@58.8,86.4 58.8,87.4 ; C70.1@58.8,96.4 58.8,95.4 ; C126.1@70.4,90.4 70.411,91.406 70.411,91.44 ; C124.1@70.4,96.4 70.411,95.44 ; C259.2@71,95.4 70.411,95.44 ; C119.1@72.9,95.7 73.9,95.7 ; v1@74.76,87.3 74.9,87.4 C47.2@76.8,87.4 77.4,87.4 ; C98.1@74.9,95.7 73.9,95.7 ; C107.2@76.8,95.4 77.4,95.4 ; C118.1@77.4,86.4 77.4,87.4 ; C120.1@77.4,96.4 77.4,95.4 ; D8.2@84.1,64.7 84.1,65.2 85.1,66.2 R4.1@85.1,67.1 ; 14.611,91.44 C603.1@14.6,92.4 C814.1@14.6,94.4 14.611,95.406 14.611,95.44 ; 14.611,91.44 C602.2@15.2,91.4 v1@18.1,91.4 ; v1@18.1,91.4 19,91.4 C101.2@21,91.4 21.6,91.4 ; v1@18.1,91.4 18.1,93.1 C404.2@18.1,95.1 18.1,95.7 ; 21.6,87.4 C24.1@21.6,88.4 C21.1@21.6,90.4 21.6,91.4 ; 21.6,91.4 C23.1@21.6,92.4 C380.1@21.6,94.4 21.6,95.4 ; 33.211,91.44 C113.1@33.2,92.4 C116.1@33.2,94.4 33.211,95.406 33.211,95.44 ; 33.211,91.44 C406.2@33.8,91.4 v1@36.7,91.4 ; v1@36.7,91.4 C92.2@39.6,91.4 40.2,91.4 ; v1@36.7,91.4 36.7,93.1 C133.2@36.7,95.1 36.7,95.7 ; 40.2,87.4 C97.1@40.2,88.4 C94.1@40.2,90.4 40.2,91.4 ; 40.2,91.4 C95.1@40.2,92.4 C112.1@40.2,94.4 40.2,95.4 ; 51.811,91.44 C598.1@51.8,92.4 C642.1@51.8,94.4 51.811,95.406 51.811,95.44 ; 51.811,91.44 C596.2@52.4,91.4 v1@55.3,91.4 ; v1@55.3,91.4 C42.2@58.2,91.4 58.8,91.4 ; v1@55.3,91.4 C373.2@55.3,95.1 55.3,95.7 ; 58.8,87.4 C52.1@58.8,88.4 C50.1@58.8,90.4 58.8,91.4 ; 58.8,91.4 C51.1@58.8,92.4 C71.1@58.8,94.4 58.8,95.4 ; 70.411,91.44 C123.1@70.4,92.4 C127.1@70.4,94.4 70.411,95.406 70.411,95.44 ; 70.411,91.44 C258.2@71,91.4 v1@73.9,91.4 ; v1@73.9,91.4 73.9,92.3 73.9,93.1 C99.2@73.9,95.1 73.9,95.7 ; v1@73.9,91.4 75.6,91.4 C41.2@76.8,91.4 77.4,91.4 ; 77.4,87.4 77.4,91.4 ; 77.4,91.4 77.4,95.4
  L1 w1: R13.2@81.1,63 82.8,64.7 D8.2@84.1,64.7 87.7,64.7 J5.1@87.7,64.1
  L1 w3: D28.1@89.197,92.917 89.197,89.1 92.45,85.847 J12.3@92.45,74.1
  other v1: 17.1,83.6 17.9,83.6 35.7,83.6 36.5,83.6 54.3,83.6 55.1,83.6 72.9,83.6 73.7,83.6 17.1,84.3 17.9,84.3 35.7,84.3 36.5,84.3 54.3,84.3 55.1,84.3 72.9,84.3 73.7,84.3 17.1,85 17.9,85 35.7,85 36.5,85 54.3,85 55.1,85 72.9,85 73.7,85 19,86.3 19.8,86.3 37.6,86.3 38.4,86.3 56.2,86.3 57,86.3 74.8,86.3 75.6,86.3 17.4,87.1 18.2,87.1 19,87.1 19.8,87.1 36,87.1 36.8,87.1 37.6,87.1 38.4,87.1 54.6,87.1 55.4,87.1 56.2,87.1 57,87.1 73.2,87.1 74,87.1 74.8,87.1 75.6,87.1 16.6,87.9 17.4,87.9 18.2,87.9 19,87.9 19.8,87.9 35.2,87.9 36,87.9 36.8,87.9 37.6,87.9 38.4,87.9 53.8,87.9 54.6,87.9 55.4,87.9 56.2,87.9 57,87.9 72.4,87.9 73.2,87.9 74,87.9 74.8,87.9 75.6,87.9 16.6,91.5 17.4,91.5 18.2,91.5 19,91.5 19.8,91.5 35.2,91.5 36,91.5 36.8,91.5 37.6,91.5 38.4,91.5 53.8,91.5 54.6,91.5 55.4,91.5 56.2,91.5 57,91.5 72.4,91.5 73.2,91.5 74,91.5 74.8,91.5 75.6,91.5 16.6,92.3 17.4,92.3 18.2,92.3 19,92.3 19.8,92.3 35.2,92.3 36,92.3 36.8,92.3 37.6,92.3 38.4,92.3 53.8,92.3 54.6,92.3 55.4,92.3 56.2,92.3 57,92.3 72.4,92.3 73.2,92.3 74,92.3 74.8,92.3 75.6,92.3 16.6,93.1 17.4,93.1 18.2,93.1 19,93.1 19.8,93.1 35.2,93.1 36,93.1 36.8,93.1 37.6,93.1 38.4,93.1 53.8,93.1 54.6,93.1 55.4,93.1 56.2,93.1 57,93.1 72.4,93.1 73.2,93.1 74,93.1 74.8,93.1 75.6,93.1 16.6,93.9 17.4,93.9 18.2,93.9 19,93.9 19.8,93.9 35.2,93.9 36,93.9 36.8,93.9 37.6,93.9 38.4,93.9 53.8,93.9 54.6,93.9 55.4,93.9 56.2,93.9 57,93.9 72.4,93.9 73.2,93.9 74,93.9 74.8,93.9 75.6,93.9
D+: D6.1 J2.3 J4.4 U10.37 | length 34.3
  L1 w0.3: D6.1@83.95,42.45 84,42.4 v1(84.8,42.4) ; v1(84.2,21.3) 85.4,21.3 85.707,21.608 U10.37@85.707,22.783 ; J4.4@89.57,41.13 90.84,42.4 J2.3@93,42.4
  L2 w0.3: v1(84.8,42.4) 88.3,42.4 J4.4@89.57,41.13
  L4 w0.3: v1(84.2,21.3) 84.2,41.8 v1(84.8,42.4)
D-: D6.3 J2.2 J4.3 U10.36 | length 38.4
  L1 w0.3: D6.3@82.05,42.45 82.1,42.4 82.1,41.7 82.5,41.3 v1(84.8,41.3) 86.86,41.3 J4.3@87.03,41.13 88.46,39.7 90.1,39.7 92,41.6 J2.2@93,41.6 ; v1(84.2,20.4) 85.563,20.4 86.207,21.044 U10.36@86.208,22.783
  L4 w0.3: v1(84.2,20.4) 84.8,21 v1(84.8,41.3)
FB: C3.1 R6.1 U10.17 | length 43.5
  L1 w0.3: v1(85.4,13.3) 85.417,13.283 U10.17@89.708,13.283 90.308,13.283 91.2,12.391 v1(91.2,12)
  L1 w0.5: R6.1@61.1,13.3 64.4,13.3 v2(66.1,11.6) ; v1(91.2,12) 91.2,11.4 C3.1@91.65,10.95
  L4 w0.3: v2(66.1,11.6) 66.1,6.8 68.6,4.3 75.8,4.3 77.1,5.6 79.6,5.6 85.4,11.4 v1(85.4,13.3)